# Altium PCB ie-track-kit-arduino-1.PcbDoc (part 2 of 3) (continued)
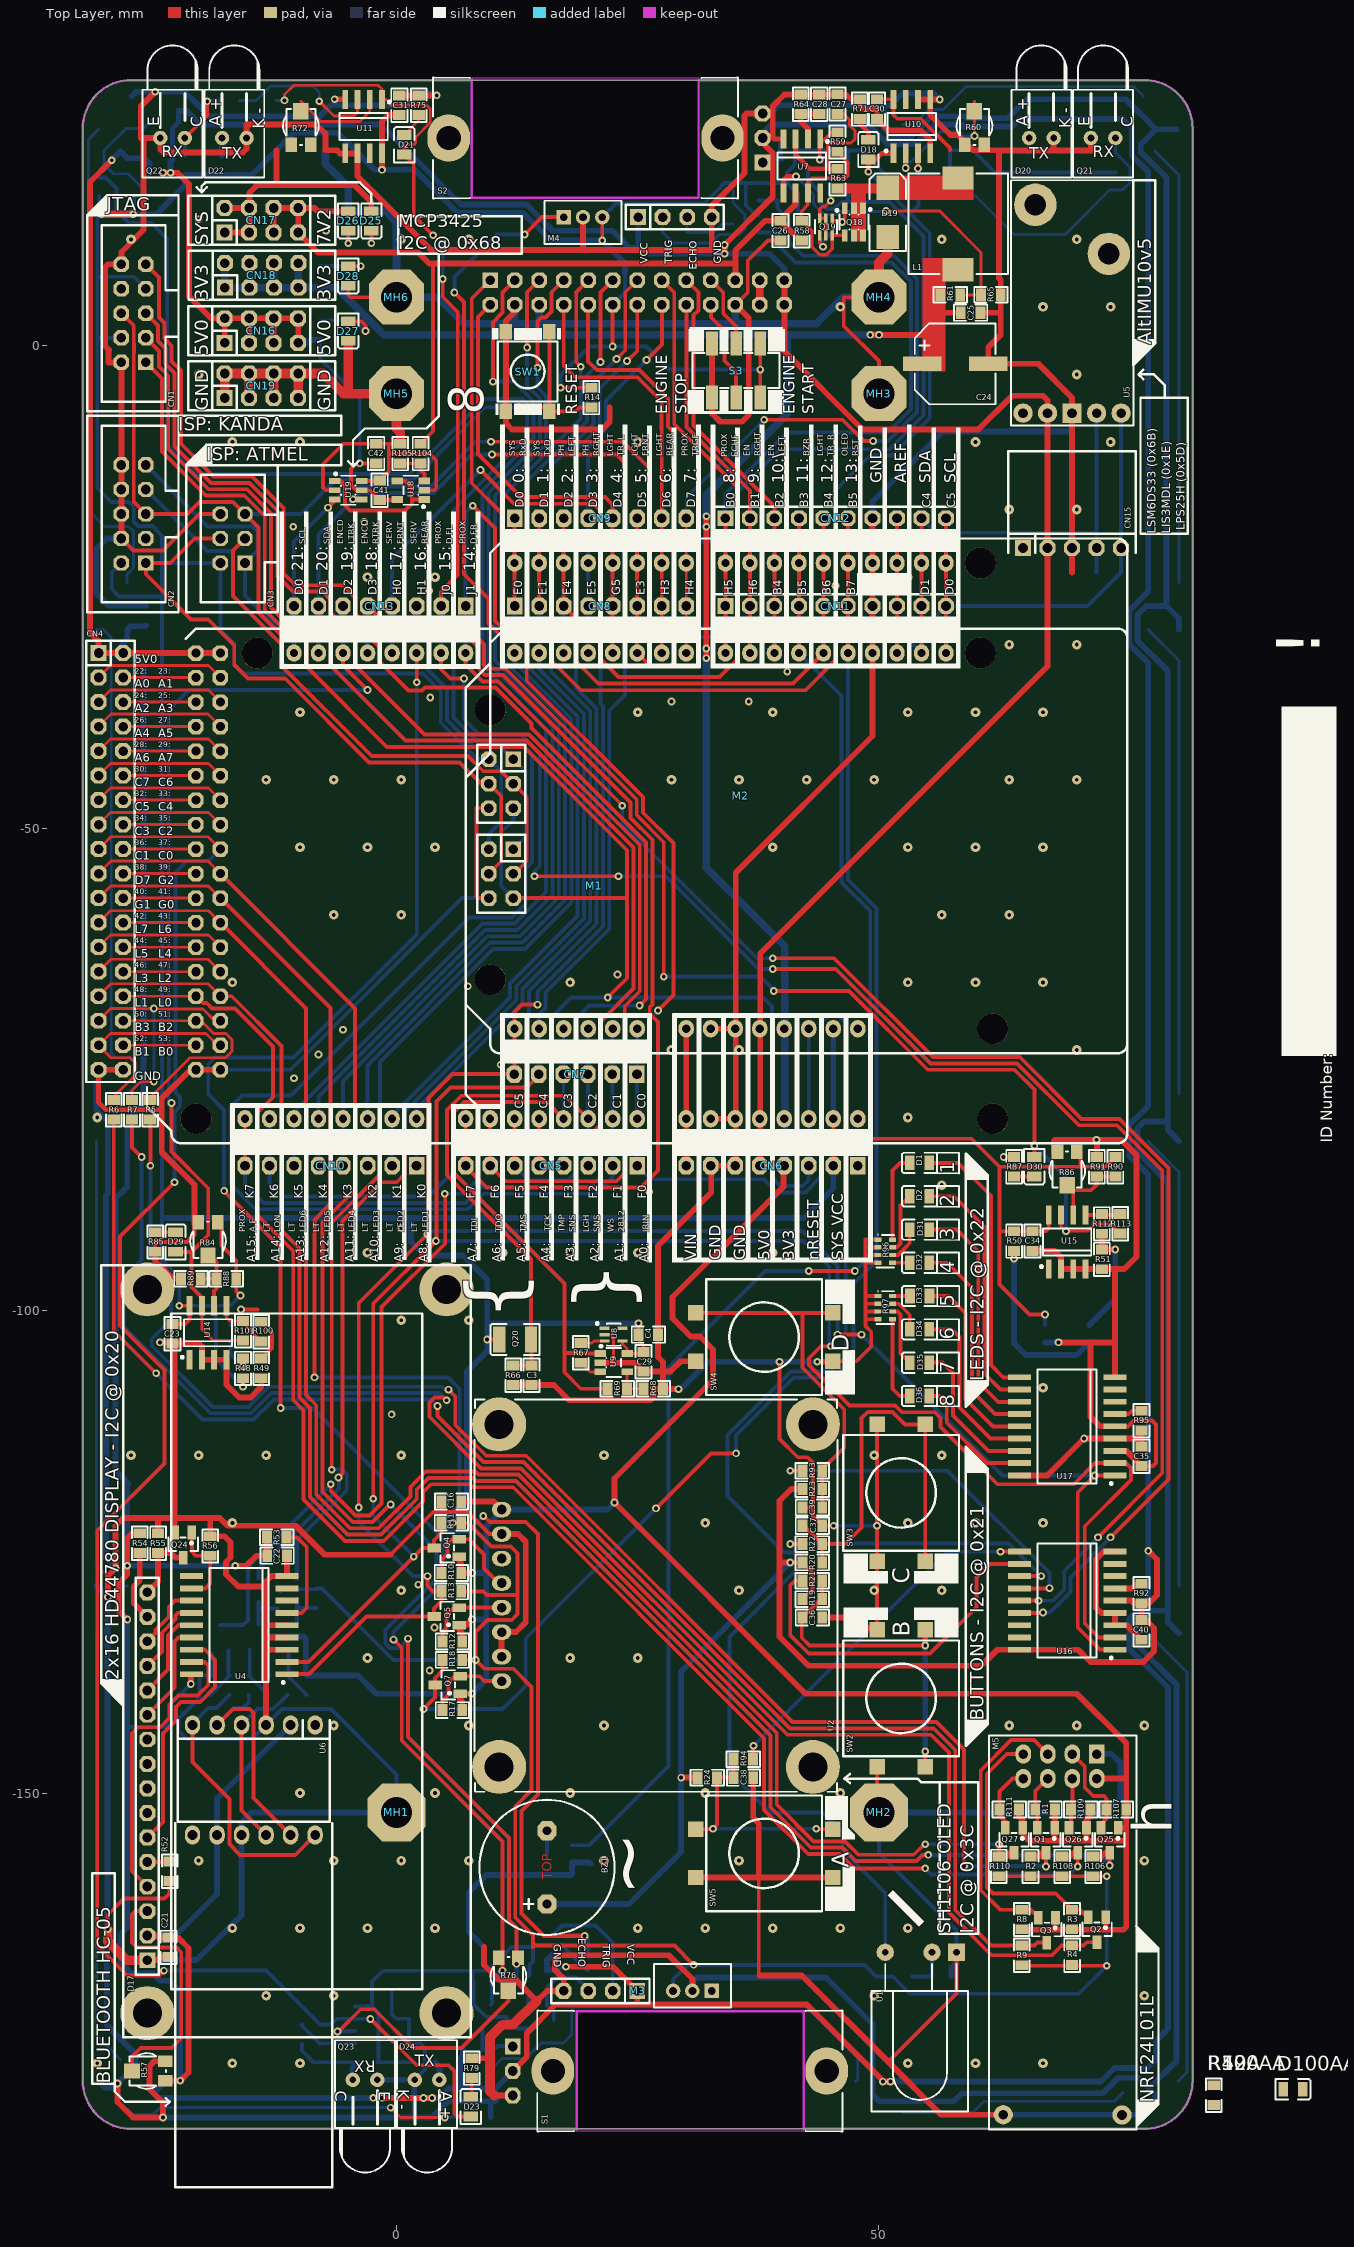
[diagram p0: Top Layer view]
## Nets (pads, with @x,y where several pads share a name; then routed paths per layer and width w, separated by ;. In a path a pad name is that pad's centre, name@x,y a point inside that pad or via, vN(x,y) a via of type N, cw(c..) or ccw(c..) an arc to the next point about the centre after c; other vN are vias at no path point) (continued)
  Bottom Layer w0.4: CN10.1@2.085,-85 M1.A8@2.085,-80.13 2.085,-79.087 13.067,-68.105 13.067,-66.668 20.086,-59.649 20.086,-37.886 16.039,-33.839 16.039,-12.485 20.408,-8.116 20.408,-3.792 v1(22.8,-1.4)
LD2: CN10.2 CN20.11 M1.A9 | length 105.6
  Top Layer w0.4: v1(21.134,-1.7) 21.134,5.484 CN20.11@22.42,6.77
  Bottom Layer w0.4: CN10.2@-0.455,-85 M1.A9@-0.455,-80.13 -0.455,-79.777 11.759,-67.563 11.759,-66.126 18.778,-59.107 18.778,-38.428 13.499,-33.149 13.499,-14.101 19.754,-7.846 19.754,-3.08 v1(21.134,-1.7)
LD3: CN10.3 CN20.9 M1.A10 | length 109.1
  Top Layer w0.4: v1(19.1,-2.2) 18.626,-1.726 18.626,5.464 18.6,5.49 CN20.9@19.88,6.77
  Bottom Layer w0.4: CN10.3@-2.995,-85 M1.A10@-2.995,-80.13 -2.995,-74.59 9.725,-61.87 13.06,-61.87 17.47,-57.46 17.47,-38.97 10.862,-32.362 10.862,-15.813 18.6,-8.075 19.1,-7.575 v1(19.1,-2.2)
LD4: CN10.4 CN20.7 M1.A11 | length 109.7
  Top Layer w0.4: v1(14.608,-2.308) 14.608,2.494 15.007,2.893 15.465,2.893 16.086,3.514 16.086,5.516 CN20.7@17.34,6.77
  Bottom Layer w0.4: CN10.4@-5.535,-85 M1.A11@-5.535,-80.13 -5.535,-76.205 9.455,-61.216 12.789,-61.216 16.816,-57.189 16.816,-39.241 10.208,-32.633 10.208,-15.542 15.516,-10.234 15.516,-5.234 14.608,-4.326 v1(14.608,-2.308)
LD5: CN10.5 CN20.5 M1.A12 | length 109.8
  Top Layer w0.4: v1(13.546,-0.2) 13.546,5.516 CN20.5@14.8,6.77
  Bottom Layer w0.4: CN10.5@-8.075,-85 M1.A12@-8.075,-80.13 -8.075,-77.821 9.184,-60.562 12.518,-60.562 16.162,-56.918 16.162,-39.512 9.554,-32.904 9.554,-15.271 14.862,-9.963 14.862,-5.504 13.546,-4.188 v1(13.546,-0.2)
LD6: CN10.6 CN20.3 M1.A13 | length 113.4
  Top Layer w0.4: v1(10,-3.746) 10,2.4 11,3.4 11,5.51 CN20.3@12.26,6.77
  Bottom Layer w0.4: CN10.6@-10.615,-85 M1.A13@-10.615,-80.13 -10.615,-79.436 8.913,-59.908 12.247,-59.908 15.508,-56.647 15.508,-39.783 8.9,-33.175 8.9,-15 14.208,-9.692 14.208,-5.775 12.179,-3.746 v1(10,-3.746)
LED1: D1.1 U17.10 | length 28.8
  Top Layer w0.4: D1.1@55.216,-84.7 58.2,-84.7 61.6,-88.1 61.6,-105.646 62.874,-106.92 U17.10@64.547,-106.92
LED2: D2.1 U17.11 | length 26.5
  Top Layer w0.4: D2.1@55.216,-88.15 57.75,-88.15 60.946,-91.346 60.946,-106.546 62.59,-108.19 U17.11@64.547,-108.19
LED3: D31.1 U17.12 | length 24.6
  Top Layer w0.4: D31.1@55.216,-91.616 58.016,-91.616 60.292,-93.892 60.292,-107.392 62.36,-109.46 U17.12@64.547,-109.46
LED4: D32.1 U17.13 | length 22.1
  Top Layer w0.4: D32.1@55.216,-95.05 57.05,-95.05 59.638,-97.638 59.638,-108.338 62.03,-110.73 U17.13@64.547,-110.73
LED5: D33.1 U17.14 | length 20.1
  Top Layer w0.4: D33.1@55.232,-98.5 57.2,-98.5 58.984,-100.284 58.984,-109.184 61.8,-112 U17.14@64.547,-112
LED6: D34.1 U17.15 | length 18.3
  Top Layer w0.4: D34.1@55.216,-101.95 57.55,-101.95 58.33,-102.73 58.33,-110.03 61.57,-113.27 U17.15@64.547,-113.27
LED7: D35.1 U17.16 | length 15.7
  Top Layer w0.4: D35.1@55.216,-105.4 56.6,-105.4 57.676,-106.476 57.676,-110.86 61.356,-114.54 U17.16@64.547,-114.54
LED8: D36.1 U17.17 | length 13.4
  Top Layer w0.4: D36.1@55.216,-108.85 56.25,-108.85 57.022,-109.622 57.022,-111.622 61.21,-115.81 U17.17@64.547,-115.81
LEDON: CN10.7 CN20.14 M1.A14 | length 129.5
  Top Layer w0.4: v1(23.9,-1.6) 24.96,-0.54 CN20.14@24.96,4.23
  Bottom Layer w0.4: M1.A14@-13.155,-80.13 CN10.7@-13.155,-85 -13.155,-86.772 -11.735,-88.192 3.308,-88.192 5.911,-85.589 5.911,-84.312 8.031,-82.192 12.608,-82.192 13.506,-81.294 13.506,-69.679 13.754,-69.431 13.754,-66.905 20.74,-59.919 20.74,-37.616 18.6,-35.476 18.6,-10.849 21.062,-8.387 21.062,-4.438 v1(23.9,-1.6)
LIGHT_SENSOR: C3.2 CN5.3 CN7.3 M1.A2 M2.A2 Q20.1 R66.1 | length 62.4
  Top Layer w0.4: R66.1@12.1,-105.684 C3.2@14,-105.684 14,-103.05 Q20.1@13.95,-103 13.95,-94.675 5.257,-85.982 5.257,-79.218 6.729,-77.746 17.481,-77.746 M1.A2@19.865,-80.13
  Bottom Layer w0.4: CN5.3@19.865,-85 M1.A2@19.865,-80.13 M2.A2@19.865,-70.8
LIGHTS_FRONT: CN8.6 CN9.6 CN20.10 M1.D5 M2.D5 | length 61.8
  Top Layer w0.4: CN20.10@19.88,4.23 19.846,4.196 19.846,-1.646 20.754,-2.554 21.488,-2.554 21.492,-2.55 25.175,-2.55 28.132,-5.507 28.132,-8.407 28.739,-9.014 28.739,-32.778 28.293,-33.224 26.299,-33.224 M1.D5@24.945,-31.87 CN8.6@24.945,-27 M2.D5@24.945,-22.54 CN9.6@24.945,-17.9
LIGHTS_REAR: CN8.7 CN9.7 CN20.8 M1.D6 M2.D6 | length 44.1
  Top Layer w0.4: CN20.8@17.34,4.23 17.34,-2.14 18.492,-3.292 24.992,-3.292 27.478,-5.778 27.478,-8.678 27.485,-8.685 CN9.7@27.485,-17.9 M2.D6@27.485,-22.54 CN8.7@27.485,-27 M1.D6@27.485,-31.87
LIGHTS_TURN_LEFT: CN8.5 CN9.5 CN20.2 M1.D4 M2.D4 | length 47.5
  Top Layer w0.4: CN20.2@9.72,4.23 8.454,2.964 8.454,-11.254 12.9,-15.7 21.605,-15.7 22.405,-16.5 CN9.5@22.405,-17.9 M2.D4@22.405,-22.54 CN8.5@22.405,-27 M1.D4@22.405,-31.87
LIGHTS_TURN_RIGHT: CN11.5 CN12.5 CN20.1 M1.D12 M2.D12 | length 89.8
  Top Layer w0.4: CN20.1@9.72,6.77 7.8,4.85 7.8,-14.27 10.9,-17.37 10.9,-28.3 11.2,-28.6 16.6,-28.6 18.579,-30.579 18.579,-32.679 20.908,-35.008 41.111,-35.008 M1.D12@44.249,-31.87 CN11.5@44.249,-27 M2.D12@44.249,-22.54 CN12.5@44.249,-17.9
MCP_BTN_IRQ: U16.8
MISO_3V3: M5.7 Q2.2 R3.1 | length 28.2
  Top Layer w0.4: M5.7@64.96,-145.96 63.24,-145.96 61.2,-148 61.2,-159.8 61.8,-160.4 68.316,-160.4 R3.1@70,-162.084 70.784,-162.084 Q2.2@71.7,-163
MISO_5V: Q2.3 R4.1 R7.2 | length 167.2
  Top Layer w0.4: R7.2@-27.4,-80.216 -27.4,-83.1 v1(-26.4,-84.1) ; v1(5.2,-109.3) 4.9,-109 3.955,-109 3.408,-109.546 3.408,-111 8.76,-116.352 12.913,-116.352 40.515,-143.954 55.404,-143.954 57.246,-145.796 57.246,-162.371 61.675,-166.8 67.921,-166.8 68.937,-165.784 R4.1@70.01,-165.784 71.2,-165.784 71.53,-165.454 Q2.3@72.6,-165.454
  Bottom Layer w0.4: v1(-26.4,-84.1) -26.4,-94.748 -28.27,-96.618 -28.27,-101.662 -19.287,-110.646 -15.071,-110.646 -12.971,-108.546 4.446,-108.546 v1(5.2,-109.3)
MOSI_3V3: M5.6 Q1.2 R1.1 | length 5.7
  Top Layer w0.4: Q1.2@66.4,-153.6 66.4,-151.9 R1.1@66.2,-151.7 66.2,-149.8 M5.6@67.5,-148.5
MOSI_5V: Q1.3 R2.1 R5.1 | length 154
  Top Layer w0.4: v1(-25.5,-85) R5.1@-25.5,-80.216 ; v1(5.4,-108.2) 6.1,-108.9 6.1,-111.842 9.302,-115.044 13.454,-115.044 41.056,-142.646 55.946,-142.646 58.8,-145.5 v1(58.8,-157.566) ; v1(67.3,-157.6) 67.3,-156.4 67.2,-156.3 Q1.3@67.3,-156.2
  Top Layer w0.6: R2.1@65.7,-156.584 66.54,-156.584 66.924,-156.2 Q1.3@67.3,-156.2
  Bottom Layer w0.4: v1(-25.5,-85) -25.5,-94.481 -23.362,-96.618 -23.362,-100.954 -25.354,-102.946 -25.354,-103.654 -19.016,-109.992 -15.342,-109.992 -13.242,-107.892 4.717,-107.892 5.025,-108.2 v1(5.4,-108.2) ; v1@58.771,-157.559 58.778,-157.566 v1(58.8,-157.566) 67.266,-157.566 v1(67.3,-157.6)
NetBZ1_2: BZ1.2 Q6.3 | length 2.4
  Bottom Layer w0.4: Q6.3@15.6,-156.3 BZ1.2@15.6,-153.9
NetC2_2: C2.2 R16.2 U1.2 | length 4.5
  Bottom Layer w0.4: R16.2@53.466,-169 C2.2@55.484,-169 55.5,-168.984 U1.2@55.5,-166.5
NetC5_2: C5.2 Q10.1 R33.1 | length 5.5
  Bottom Layer w0.4: R33.1@-19.3,-139.841 -17.3,-137.841 C5.2@-17.3,-137.809 -17.4,-137.709 Q10.1@-17.4,-135.2
NetC27_2: C27.2 R63.2 U7.3 | length 15.9
  Top Layer w0.3: 44.609,18.306 44.661,18.358 44.661,19.393 44.661,20.743 44.898,20.98 47.105,20.98 47.5,21.375 47.5,22.27 46.961,22.809 46.961,23.389 46.35,24 C27.2@45.7,24
  Top Layer w0.5: U7.3@41.365,21.394 41.365,19.76 42.819,18.306 44.609,18.306 R63.2@45.7,18.306
NetC28_2: C28.2 R64.1 U7.2 | length 4.8
  Top Layer w0.6: U7.2@42.635,21.394 42.635,22.465 41.9,23.2 R64.1@41.9,23.984 C28.2@43.8,23.984
NetC36_2: C36.2 R19.1 R21.2 SW2.1 | length 34.2
  Top Layer w0.4: R21.2@44.116,-128 R19.1@44.116,-129.9 43.984,-129.9 C36.2@42.084,-131.8 42,-131.884 42,-133.91 42.79,-134.7 v1(54.8,-134.7) ; SW2.1@54.8,-147.29 v1(54.8,-145.7)
  Top Layer w0.6: v1(54.8,-134.7) SW2.1@54.8,-133.09
  Bottom Layer w0.6: v1(54.8,-145.7) v1(54.8,-134.7)
NetC37_2: C37.2 R20.1 R22.2 SW3.1 | length 42.2
  Top Layer w0.4: C37.2@42.084,-122.3 42.216,-122.3 R22.2@44.116,-124.2 ; R20.1@44.116,-126.1 R22.2@44.116,-124.2 ; SW3.1@54.8,-125.99 54.8,-112.19 54.4,-111.79 52.706,-111.79 51.416,-110.5 48.9,-110.5 48.864,-110.536 48.812,-110.536 48.2,-111.148 48.2,-122.505 46.505,-124.2 R22.2@44.116,-124.2
NetC38_2: C38.2 R24.1 R94.2 SW5.1 | length 23.3
  Top Layer w0.4: SW5.1@31,-153.75 32.75,-153.75 v1(32.8,-153.7) 33.216,-153.284 R24.1@33.216,-148.4 C38.2@34.938,-148.4 34.938,-146.515 R94.2@34.923,-146.5 ; v1(43.5,-153.7) 43.55,-153.75 SW5.1@45.2,-153.75
  Bottom Layer w0.4: v1(32.8,-153.7) v1(43.5,-153.7)
NetC39_2: C39.2 R23.1 R93.2 SW4.1 | length 37.1
  Top Layer w0.4: SW4.1@31,-100.25 42.092,-100.25 ; C39.2@44.116,-120.4 R93.2@44.116,-116.6 44.116,-116.484 46.404,-114.196 46.404,-110.237 42.092,-105.925 42.092,-100.25 ; SW4.1@45.2,-100.25 42.092,-100.25
NetCN2_1: CN2.1 CN3.4 M1.PROG4 M2.PROG4 | length 66
  Top Layer w0.4: CN3.4@-18.235,-20 -20.9,-20 -23.44,-22.54 CN2.1@-25.96,-22.54 -25.96,-23.71 -21.27,-28.4 -19.5,-28.4 -16.8,-31.1 -16.8,-33.1 -15.4,-34.5 -11.525,-34.5 -2.825,-43.2 6.55,-43.2 8.75,-45.4 M2.PROG4@9.578,-45.4 10.864,-46.686 10.864,-53.444 M1.PROG4@9.578,-54.73
NetCN2_7: CN2.7 CN3.3 M1.PROG3 M2.PROG3 | length 68.9
  Top Layer w0.4: CN3.3@-15.695,-20 -16.949,-21.254 -16.949,-25.951 -11.9,-31 -11.9,-33.2 -2.554,-42.546 7.422,-42.546 8.99,-44.114 10.832,-44.114 M2.PROG3@12.118,-45.4 13.5,-46.782 13.5,-53.45 12.22,-54.73 M1.PROG3@12.118,-54.73
  Bottom Layer w0.4: CN2.7@-25.96,-14.92 -19.594,-21.286 -16.981,-21.286 CN3.3@-15.695,-20
NetCN2_9: CN2.9 CN3.1 M1.PROG1 M2.PROG1 | length 70.5
  Bottom Layer w0.4: CN2.9@-25.96,-12.38 -19.594,-18.746 -14.954,-18.746 -14.4,-19.3 -14.4,-21.245 CN3.1@-15.695,-22.54 -15.695,-25.905 -11.9,-29.7 -11.9,-32.7 -11.3,-33.3 2.964,-33.3 5.246,-35.582 5.246,-38.825 8.021,-41.6 10.858,-41.6 M2.PROG1@12.118,-42.86 13.4,-44.142 13.4,-50.908 M1.PROG1@12.118,-52.19
NetCN6_8: CN6.8 M1.P8 M2.P8 | length 14.2
  Top Layer w0.6: M2.P8@30.025,-70.8 M1.P8@30.025,-80.13 30.025,-84.945 CN6.8@30.08,-85
NetD1_2: D1.2 R96.8 | length 9.3
  Top Layer w0.4: R96.8@51.398,-92.65 51.398,-85.471 52.169,-84.7 D1.2@53.184,-84.7
NetD2_2: D2.2 R96.7 | length 6.3
  Top Layer w0.4: R96.7@51.398,-93.45 51.815,-93.45 52.222,-93.043 52.222,-89.112 D2.2@53.184,-88.15
NetD3_2: D3.2 D4.4 | length 51
  Bottom Layer w0.3: D3.2@-30.864,22.399 -31.892,21.371 -31.892,-17.108 -30.25,-18.75 -27.75,-18.75 -27.25,-19.25 -27.25,-23.061 -27.9,-23.711 D4.4@-27.9,-24.55
NetD3_4: D3.4 D16.2 | length 13.5
  Bottom Layer w0.3: -25.96,15.937 -27.823,17.8 -28.171,17.8 -29.284,17.8 -30.304,18.82 -30.304,20.196 -28,22.5 -26.237,22.5 D3.4@-25.136,23.601
NetD4_2: D4.2 D5.4 | length 51.5
  Bottom Layer w0.3: D4.2@-31.1,-29.45 -30.35,-29.45 -29.553,-30.247 -29.553,-73.347 -29.1,-73.8 -27.5,-73.8 -27,-74.3 -27,-76.65 D5.4@-27.9,-77.55
NetD5_2: D5.2 D6.4 | length 48
  Bottom Layer w0.3: D5.2@-31.1,-82.45 -31.1,-126.3 -28.85,-128.55 D6.4@-27.9,-128.55
NetD6_2: D6.2 D7.4 | length 45.2
  Bottom Layer w0.3: D6.2@-31.1,-133.45 -31.1,-175.1 D7.4@-28.601,-177.598
NetD7_2: D7.2 D8.4 | length 34.7
  Top Layer w0.3: v1(-0.6,-182.6) 0.416,-183.616 v1(5,-183.616)
  Bottom Layer w0.3: D7.2@-27.399,-183.326 -25.226,-183.326 -25.188,-183.288 -25.188,-183.283 -24.505,-182.6 v1(-0.6,-182.6) ; v1(5,-183.616) 5.054,-183.562 D8.4@6.581,-183.562
NetD8_2: D8.2 D9.4 | length 47.1
  Bottom Layer w0.3: D8.2@9.781,-178.662 10.943,-177.5 13.401,-177.5 15.001,-175.9 17.3,-175.9 18.169,-175.031 18.169,-172.38 18.48,-172.069 42.42,-172.069 47.8,-177.449 47.8,-179.65 D9.4@47.55,-179.9
NetD9_2: D9.2 D10.4 | length 23.7
  Bottom Layer w0.3: D9.2@52.45,-183.1 59.717,-183.1 60.886,-181.931 74.404,-181.931 D10.4@75.272,-181.063
NetD10_2: D10.2 D11.4 | length 48.4
  Bottom Layer w0.3: D11.4@77.9,-133.45 81.9,-137.45 81.9,-178.961 D10.2@81,-179.861
NetD11_2: D11.2 D12.4 | length 47.4
  Bottom Layer w0.3: D12.4@77.9,-82.45 81.1,-85.65 D11.2@81.1,-128.55
NetD12_2: D12.2 D13.4 | length 49.4
  Bottom Layer w0.3: D13.4@77.9,-29.45 81.1,-32.65 D12.2@81.1,-77.55
NetD13_2: D13.2 D14.4 | length 45.7
  Bottom Layer w0.3: D14.4@78.601,20.136 81.1,17.637 D13.2@81.1,-24.55
NetD14_2: D14.2 D15.4 | length 27
  Bottom Layer w0.3: D15.4@52.45,22.9 53.604,22.9 55.157,24.453 56.653,24.453 59.038,26.838 76.425,26.838 D14.2@77.399,25.864
NetD16_4: D16.4 Q17.3 R47.1
NetD17_3: D17.3 R57.3 | length 26.4
  Top Layer w0.4: R57.3@-27.4,-178.8 -27.4,-177.3 -26.5,-176.4 -23.3,-176.4 -22.3,-175.4 -22.3,-166.5 -22.78,-166.02 -26.88,-166.02 -27.4,-165.5 -27.4,-162.6 -27.026,-162.226 D17.3@-25.816,-162.226
NetD17_4: D17.4 U4.17 | length 31.2
  Top Layer w0.4: D17.4@-25.816,-159.686 -27.4,-158.103 -27.4,-143.8 -26.776,-143.176 -24.476,-143.176 -23.5,-142.2 -23.5,-140.8 -22.6,-139.9 -20.6,-139.9 -19.5,-138.8 -19.5,-136.8 -19.89,-136.41 U4.17@-21.253,-136.41
NetD17_5: D17.5 R52.2 | length 2.3
  Top Layer w0.4: D17.5@-25.816,-157.146 -23.56,-157.146 R52.2@-23.5,-157.087
NetD17_6: D17.6 U4.16 | length 25.4
  Top Layer w0.4: D17.6@-25.816,-154.606 -24.2,-152.99 -24.2,-143.825 -22.846,-142.471 -22.846,-141.071 -22.329,-140.554 -20.329,-140.554 -18.8,-139.025 -18.8,-136.2 -19.86,-135.14 U4.16@-21.253,-135.14
NetD17_11: D17.11 U4.15 | length 10.7
  Top Layer w0.4: D17.11@-25.816,-141.906 -23,-139.09 -23,-134.3 -22.57,-133.87 U4.15@-21.253,-133.87
NetD17_12: D17.12 U4.14 | length 9.4
  Top Layer w0.4: D17.12@-25.816,-139.366 -23.654,-137.204 -23.654,-133.654 -22.6,-132.6 U4.14@-21.253,-132.6
NetD17_13: D17.13 U4.13 | length 8.2
  Top Layer w0.4: D17.13@-25.816,-136.826 -24.308,-135.318 -24.308,-133.383 -22.9,-131.975 -22.9,-131.6 -22.63,-131.33 U4.13@-21.253,-131.33
NetD17_14: D17.14 U4.12 | length 7.1
  Top Layer w0.4: D17.14@-25.816,-134.286 -24.962,-133.432 -24.962,-133.112 -23.6,-131.75 -23.6,-130.7 -22.96,-130.06 U4.12@-21.253,-130.06
NetD17_15: D17.15 R54.2 | length 7.4
  Top Layer w0.6: R54.2@-26.6,-125.116 -26.6,-127.968 -27.196,-128.564 -27.196,-130.367 D17.15@-25.816,-131.746
NetD17_16: D17.16 Q24.3 R55.1 | length 7.4
  Top Layer w0.6: D17.16@-25.816,-129.206 -24.7,-128.09 R55.1@-24.7,-125.116 -23.384,-125.116 -22.9,-125.6 Q24.3@-22.1,-125.6
NetD18_1: D18.1 R71.2 | length 2.5
  Top Layer w0.5: 48,23.484 48,23 48.9,22.1 48.9,21.316
NetD19_2: D19.2 L1.1 Q18.1 Q18.2 Q18.5 Q18.6 R63.1 | length 5.2
  Top Layer w1: R63.1@45.7,16.274 48.35,16.274 50.834,16.274 D19.2@50.9,16.34
NetD20_1: D20.1 R62.2 | length 1.5
  Bottom Layer w0.4: R62.2@65.56,19.976 D20.1@65.56,21.5
NetD21_1: D21.1 R75.2
NetD22_1: D22.1 R73.2 | length 1.8
  Bottom Layer w0.6: R73.2@-18.07,19.7 D22.1@-18.07,21.5
NetD23_1: D23.1 R79.2
NetD24_1: D24.1 R77.2 | length 2
  Bottom Layer w0.6: R77.2@3.932,-177.9 4.447,-178.415 D24.1@4.447,-179.715
NetD25_2: D25.2 R82.1 | length 2.6
  Top Layer w0.4: v1(-2.6,10.6) D25.2@-2.6,11.884
  Bottom Layer w0.4: v1(-2.6,10.6) R82.1@-2.6,11.884
NetD26_2: D26.2 R83.1 | length 2.6
  Top Layer w0.4: v1(-5,10.6) D26.2@-5,11.884
  Bottom Layer w0.4: v1(-5,10.6) R83.1@-5,11.884
NetD27_1: D27.1 R80.2 | length 7.7
  Top Layer w0.4: D27.1@-5,2.516 -3.616,2.516 -3.2,2.1 v1(-3.2,1.5)
  Bottom Layer w0.4: R80.2@-7.9,2.616 -4.316,2.616 v1(-3.2,1.5)
NetD28_1: D28.1 R81.2 | length 5.5
  Top Layer w0.4: D28.1@-5,8.216 -3.706,8.216 v1(-3.7,8.222)
  Bottom Layer w0.4: R81.2@-7.9,8.222 v1(-3.7,8.222)
NetD29_1: D29.1 R85.2 | length 2.1
  Top Layer w0.4: -25,-91.884 -22.9,-91.884
NetD30_1: D30.1 R87.2 | length 1.1
  Top Layer w0.6: v1(62.916,-84.084) R87.2@64,-84.084
NetD31_2: D31.2 R96.6 | length 3.7
  Top Layer w0.4: R96.6@51.398,-94.25 51.956,-94.25 52.706,-93.5 52.69,-93.5 ; 52.684,-93.506 52.69,-93.5 ; D31.2@53.184,-91.616 53.184,-93.006 52.69,-93.5
NetD32_2: D32.2 R96.5 | length 1.8
  Top Layer w0.4: R96.5@51.398,-95.05 D32.2@53.184,-95.05
NetD33_2: D33.2 R97.8 | length 1.8
  Top Layer w0.4: R97.8@51.398,-98.5 D33.2@53.2,-98.5
NetD34_2: D34.2 R97.7 | length 3.8
  Top Layer w0.4: R97.7@51.398,-99.3 52.05,-99.3 53.184,-100.434 D34.2@53.184,-101.95
NetD35_2: D35.2 R97.6 | length 6.3
  Top Layer w0.4: R97.6@51.398,-100.1 51.925,-100.1 52.222,-100.397 52.222,-104.438 D35.2@53.184,-105.4
NetD36_2: D36.2 R97.5 | length 9.3
  Top Layer w0.4: R97.5@51.398,-100.9 51.398,-108.098 52.15,-108.85 D36.2@53.184,-108.85
NetD100AA_1: D100AA.1 R100AA.2
NetM3_4: M3.4 Q11.3 R35.1 | length 12.4
  Bottom Layer w0.4: R35.1@16.2,-164.684 17.162,-163.722 20.642,-163.722 22.42,-165.5 22.42,-170.493 M3.4@22.413,-170.5
NetM3_5: M3.5 Q12.3 R39.1 | length 9
  Bottom Layer w0.4: Q12.3@16.3,-173.5 16.3,-172.7 15.6,-172 R39.1@15.6,-170.416 15.6,-170.169 16.669,-169.1 18.6,-169.1 19.873,-170.372 M3.5@19.873,-170.5
NetM4_4: M4.4 Q14.3 R41.1 | length 15.5
  Bottom Layer w0.3: M4.4@27.588,13.3 27.588,11.7 28.687,10.6 32.548,10.6 33.448,11.5 35.521,11.5 36.1,12.079 36.1,13.571 34.9,14.771 Q14.3@34.9,15.937
NetM4_5: M4.5 Q16.3 R45.1 | length 6.7
  Bottom Layer w0.3: M4.5@30.128,13.3 30.128,11.7 32.864,11.7 33.764,12.6 Q16.3@34.9,12.6
NetM5_3: M5.3 Q25.2 R107.2 | length 10
  Top Layer w0.4: M5.3@70.04,-145.96 71.326,-147.246 71.326,-149.426 72.2,-150.3 73.3,-150.3 73.584,-150.584 R107.2@73.584,-151.7 73.584,-152.616 73,-153.2 Q25.2@73,-153.6
NetM5_4: M5.4 Q26.2 R109.2 | length 5.2
  Top Layer w0.4: Q26.2@69.7,-153.6 69.884,-153.416 R109.2@69.884,-151.7 70.04,-151.544 M5.4@70.04,-148.5
NetM5_8: M5.8 Q27.2 R111.2 | length 7
  Top Layer w0.4: Q27.2@63.1,-153.6 63.1,-152.946 62.484,-152.33 R111.2@62.484,-151.7 62.484,-149.842 63.826,-148.5 M5.8@64.96,-148.5
NetQ7_2: Q7.2 R17.1 U2.8 | length 9.1
  Top Layer w0.4: R17.1@4.784,-141.4 4.784,-140.431 5.4,-139.815 5.4,-138.5 6,-137.9 Q7.2@6.6,-137.9 8.6,-137.9 9.1,-138.4 U2.8@10.9,-138.4
NetQ8_2: Q8.2 R25.2 R27.2 | length 5.6
  Bottom Layer w0.4: Q8.2@-15.2,-135.125 -15.2,-137.709 R27.2@-15.3,-137.809 -13.3,-139.809 R25.2@-13.3,-139.825
NetQ8_3: Q8.3 R26.2 R28.1 | length 4.4
  Bottom Layer w0.4: Q8.3@-14.3,-132.525 -14.3,-130.857 ; R28.1@-14.3,-130.175 -14.3,-130.857 ; R26.2@-12.3,-130.857 -14.3,-130.857
NetQ9_2: Q9.2 R29.2 R31.2 | length 5.6
  Bottom Layer w0.4: Q9.2@-11.2,-135.125 -11.2,-137.693 R31.2@-11.3,-137.793 -11.3,-137.841 R29.2@-9.3,-139.841
NetQ9_3: Q9.3 R30.2 R32.1 | length 4.7
  Bottom Layer w0.4: Q9.3@-10.3,-132.525 -10.3,-130.8 ; R32.1@-10.3,-129.841 -10.3,-130.8 ; R30.2@-8.3,-130.841 -10.259,-130.841 -10.3,-130.8
NetQ13_3: Q13.3 R37.1 S1.1 | length 5.9
  Bottom Layer w0.4: Q13.3@8.9,-174.5 R37.1@8.9,-176.6 10.108,-176.6 10.508,-176.2 12.494,-176.2 S1.1@12.554,-176.26
NetQ15_3: Q15.3 R43.1 S2.1 | length 4.4
  Bottom Layer w0.5: S2.1@37.446,18.96 38.506,18.96 38.846,19.3 40,19.3 39.8,19.5 R43.1@39.8,20.884
NetQ18_3: Q18.3 Q19.1 Q19.4 | length 7.2
  Top Layer w0.35: Q19.4@43.85,11.179 43.85,10.578 v1(44.202,10.225) ; Q19.1@45.15,13.175 45.325,13 45.525,12.8 v1(46.2,12.8) 46.2,12.925 46.45,13.175 Q18.3@46.45,14.2
  Bottom Layer w0.35: v1(44.202,10.225) 44.202,10.802 v1(46.2,12.8)
NetQ18_4: Q18.4 Q19.6 R58.2 R59.1 U7.7 | length 20.2
  Top Layer w0.35: R59.1@45.7,20.068 45.7,20.056 46.764,18.992 46.764,17.589 46.5,17.325 43.05,17.325 42.635,16.91 U7.7@42.635,15.806 42.635,14.56 42,13.925 R58.2@42,12.916 43.064,11.852 43.064,10.191 43.859,9.396 44.546,9.396 45.15,10.001 Q19.6@45.15,11.425 46.425,11.425 Q18.4@46.45,11.4
NetQ19_2: Q19.2 Q19.3 Q19.5 R59.2 U7.1 | length 13.8
  Top Layer w0.35: v1(43.857,19.268) 43.857,21.346 U7.1@43.905,21.394 ; U7.1@44.063,21.038 45.125,22.1 R59.2@45.7,22.1 ; Q19.5@44.5,11.425 Q19.2@44.5,13.175 Q19.3@43.85,13.175 43.85,14.1 44.127,14.377 44.383,14.377 v1(45.006,15)
  Bottom Layer w0.3: v1(43.857,19.268) 45.006,18.119 v1(45.006,15)
NetQ24_1: Q24.1 R56.1 U4.11 | length 9.1
  Top Layer w0.4: U4.11@-21.253,-128.79 -19.79,-128.79 -19.3,-128.3 R56.1@-19.3,-125.416 -20.775,-125.416 -21.196,-124.995 -21.196,-123.004 Q24.1@-21.2,-123
NetR48_1: R48.1 S4.1 | length 3.9
  Top Layer w0.4: v1(-15.9,-105.8) R48.1@-15.9,-104.984
  Bottom Layer w0.4: S4.1@-17.2,-103.3 -17.2,-104.5 v1(-15.9,-105.8)
NetR49_2: R49.2 S4.2 | length 6.9
  Top Layer w0.4: v1(-16.1,-99.9) -14.4,-99.9 ; R49.2@-13.999,-104.984 -12.911,-103.896 -12.911,-102.257
  Bottom Layer w0.4: S4.2@-17.2,-101.5 -16.1,-100.4 v1(-16.1,-99.9)
NetR49A_1: R49A.1 R100.1 S4.3
NetR50_1: R50.1 S5.1 | length 18.4
  Top Layer w0.6: v1(64,-94.598) R50.1@64,-93.816
  Bottom Layer w0.6: v1(64,-94.598) 64,-103.4 65.2,-104.6 70.5,-104.6 S5.1@71.8,-103.3
NetR51_2: R51.2 S5.2 | length 12
  Top Layer w0.6: 73.1,-92.038 R51.2@73.1,-93.684 v1(74.484,-93.684)
  Bottom Layer w0.6: S5.2@71.8,-101.5 74.484,-98.816 v1(74.484,-93.684)
NetR52A_1: R52A.1 R112.1 S5.3
NetR53_2: R53.2 U4.6 | length 11.1
  Top Layer w0.4: R53.2@-11.384,-123.5 -10.3,-123.5 -9.3,-124.5 -9.3,-130.8 -9.83,-131.33 U4.6@-11.347,-131.33
NetR60_3: R60.3 U10.2 | length 14.1
  Top Layer w0.3: v1(59.895,21.7) 59.895,25.313
  Top Layer w0.5: v1(52.765,18.4) 52.765,19.836 52.8,19.871 U10.2@52.765,19.906
  Bottom Layer w0.3: v1(52.765,18.4) 52.765,18.497 56.459,22.191 58.252,22.191 58.743,21.7 v1(59.895,21.7)
NetR67_1: R67.1 U9.3 | length 2.4
  Top Layer w0.3: R67.1@19.1,-105.4 20.05,-106.35 U9.3@21.1,-106.35
NetR67_2: R67.2 U8.3 | length 2.6
  Top Layer w0.3: R67.2@19.1,-103.368 20.248,-103.368 20.466,-103.15 U8.3@21.575,-103.15
NetR68_1: R68.1 R69.2 U9.4 | length 3.4
  Top Layer w0.3: U9.4@23.9,-106.35 R69.2@23.9,-108.1 R68.1@25.6,-108.1
NetR72_3: R72.3 U11.2 | length 9.7
  Top Layer w0.3: -9.9,25.313 -7.808,23.221 -3.779,23.221 -2.765,24.235 U11.2@-2.765,25.494
NetR76_3: R76.3 U12.6 | length 24.6
  Top Layer w0.4: v1(-6.1,-174.7) -6,-174.7 -3.7,-172.4 -2.3,-172.4 1.7,-176.4 6.74,-176.4 11.6,-171.54 R76.3@11.6,-171.04
  Bottom Layer w0.4: v1(-6.1,-174.7) -6.05,-174.65 U12.6@-4.294,-174.65
NetR84_3: R84.3 R88.2 R89.1 U14.6 | length 7.2
  Top Layer w0.4: R89.1@-20.284,-96.7 R88.2@-18.638,-96.7 ; R84.3@-19.527,-94.832 -18.76,-94.832 -18.638,-94.954 R88.2@-18.638,-96.7 ; U14.6@-18.892,-99.506 -18.892,-97.992 -18.638,-97.738 R88.2@-18.638,-96.7
NetR86_3: R86.3 R90.2 R91.1 U15.6 | length 8.7
  Top Layer w0.4: R86.3@69.5,-87.532 R86.3@70.032,-87.532 ; U15.6@70.135,-90.106 70.135,-87.635 R86.3@70.032,-87.532 ; R90.2@74.5,-86.116 R91.1@72.58,-86.116 72.58,-86.92 71.968,-87.532 R86.3@70.032,-87.532
NetR92_2: R92.2 U16.6 | length 2.9
  Top Layer w0.6: U16.6@74.453,-128.79 76.21,-128.79 76.691,-128.309 R92.2@77.2,-128.309
NetR95_2: R95.2 U17.6 | length 2.7
  Top Layer w0.4: U17.6@74.453,-110.73 75.854,-110.73 76.2,-110.384 R95.2@77,-110.384
NetR98_2: R98.2 R99.1 U10.3 | length 4.2
  Top Layer w0.4: v1(54.035,18.335) U10.3@54.035,19.906
  Bottom Layer w0.4: v1(54.035,18.335) 54.035,17.581 R99.1@54.1,17.516 R98.2@55.9,17.516
NetR100_2: R100.2 R101.1 U14.5 | length 6
  Top Layer w0.3: U14.5@-17.622,-99.506 -17.622,-100.762 -17.3,-101.084 R101.1@-15.9,-101.084 -15.9,-101.3 R100.2@-14,-103.2
NetR102_2: R102.2 R103.1 U11.3 | length 16.2
  Top Layer w0.3: v1(-8,25.313) -6.462,23.775 -4.417,23.775 -4.035,24.157 U11.3@-4.035,25.494
  Bottom Layer w0.3: R102.2@-16.284,25.4 R103.1@-14.527,25.4 -13.027,26.9 -8.7,26.9 -8,26.2 v1(-8,25.313)
NetR104_2: R104.2 R105.1 U18.3 | length 4.1
  Top Layer w0.3: R105.1@0.4,-12.216 R104.2@2.5,-12.216
  Top Layer w0.4: R104.2@2.5,-12.216 2.5,-12.9 2.9,-13.3 U18.3@2.9,-14.05
NetR112_2: R112.2 R113.1 U15.5 | length 3.6
  Top Layer w0.4: U15.5@71.405,-90.106 74.878,-90.106 R113.1@75,-89.984
NetR114_2: R114.2 R115.1 U12.5 | length 6.5
  Bottom Layer w0.4: R114.2@-9.8,-173.984 -9.8,-174.116 R115.1@-7.9,-176.016 -7.804,-175.92 U12.5@-4.294,-175.92
NetU18_1: U18.1 U18.4 U19.1 | length 15.6
  Top Layer w0.4: U19.1@-6.4,-14.05 -5.75,-14.05 -5.354,-14.446 -5.354,-14.504 -5.346,-14.512 -5.346,-16.554 -4.8,-17.1 0.9,-17.1 1.6,-16.4 1.6,-15.9 ; U18.4@0.1,-14.05 0.95,-14.05 1.6,-14.7 1.6,-15.9 ; U18.1@2.9,-15.95 1.65,-15.95 1.6,-15.9
NRF24_CE: CN4.29 M1.D48 Q25.3 R106.2 | length 182.3
  Top Layer w0.3: CN4.29@-30.864,-67.43 -29.566,-66.132 -19.533,-66.132 M1.D48@-18.235,-67.43 M1.D48@-17.987,-67.43
  Top Layer w0.4: M1.D48@-17.987,-67.43 -17.07,-67.43 -11.9,-72.6 -11.9,-91.704 -10.04,-93.564 -10.04,-109.002 -8.962,-110.08 -8.962,-119.32 -5.066,-123.216 -1.584,-123.216 2.1,-119.532 2.1,-118.558 3.313,-117.346 7.905,-117.346 8.219,-117.66 12.371,-117.66 38.754,-144.043 38.754,-151.475 42.937,-155.658 46.212,-155.658 47.6,-157.046 53.878,-157.046 54.525,-156.4 v1(55.1,-156.4) ; v1(73.9,-157.5) Q25.3@73.9,-156.2
  Top Layer w0.6: R106.2@72.2,-156.584 73.065,-156.584 73.449,-156.2 Q25.3@73.9,-156.2
  Bottom Layer w0.4: v1(55.1,-156.4) 72.8,-156.4 v1(73.9,-157.5)
NRF24_CSN: CN4.30 M1.D49 Q26.3 R108.2 | length 176.9
  Top Layer w0.3: CN4.30@-28.324,-67.43 M1.D49@-20.775,-67.43
  Top Layer w0.4: M1.D49@-20.775,-67.43 -20.059,-68.146 -19.654,-68.146 -19.116,-68.684 -16.741,-68.684 -12.8,-72.625 -12.8,-77.902 -14.409,-79.511 -14.409,-79.584 -14.425,-79.6 -14.425,-90.104 -10.694,-93.835 -10.694,-109.273 -9.616,-110.351 -9.616,-119.591 -5.337,-123.87 -1.313,-123.87 2.754,-119.803 2.754,-118.829 3.584,-118 7.634,-118 7.948,-118.314 12.1,-118.314 38.1,-144.314 38.1,-151.746 42.666,-156.312 45.941,-156.312 47.429,-157.8 v1(54.8,-157.8) ; v1(70.6,-157.6) Q26.3@70.6,-156.2
  Top Layer w0.6: R108.2@69,-156.584 69.8,-156.584 70.184,-156.2 Q26.3@70.6,-156.2
  Bottom Layer w0.4: v1(54.8,-157.8) 55.454,-158.454 69.746,-158.454 v1(70.6,-157.6)
NRF24_IRQ: CN4.23 M1.D42 Q27.3 R110.2 | length 176.5
  Top Layer w0.3: CN4.23@-30.864,-59.81 -29.622,-58.568 -19.477,-58.568 M1.D42@-18.235,-59.81
  Top Layer w0.4: M1.D42@-18.235,-59.81 -9.361,-68.684 -9.361,-108.757 -8.308,-109.81 -8.308,-119.05 -4.796,-122.562 -1.854,-122.562 1.446,-119.261 1.446,-118.287 3.042,-116.692 8.175,-116.692 8.489,-117.006 12.642,-117.006 39.408,-143.772 39.408,-151.204 43.208,-155.004 46.188,-155.004 46.192,-155 46.196,-155.004 46.482,-155.004 47.871,-156.392 53.608,-156.392 54.7,-155.3 v1(54.8,-155.3) ; R110.2@62.4,-156.584 62.435,-156.549 v1(62.435,-155.3)
  Top Layer w0.6: R110.2@62.435,-156.549 63.24,-156.549 63.589,-156.2 Q27.3@64,-156.2
  Bottom Layer w0.4: v1(54.8,-155.3) v1(62.435,-155.3)
nSLEEP_LEFT: CN20.19 S3.5 | length 7.7
  Top Layer w0.4: CN20.19@32.58,6.77 33.866,5.484 33.866,3.334 35.2,2 S3.5@35.2,0.2
nSLEEP_RIGHT: CN20.20 R100AA.1 S3.1 | length 10.7
  Top Layer w0.4: CN20.20@32.58,4.23 32.58,2.92 34,1.5 34,-1.58 35.2,-2.78 S3.1@35.2,-5.4